# Altium PCB Power Board.PcbDoc (part 1 of 3) (continued)
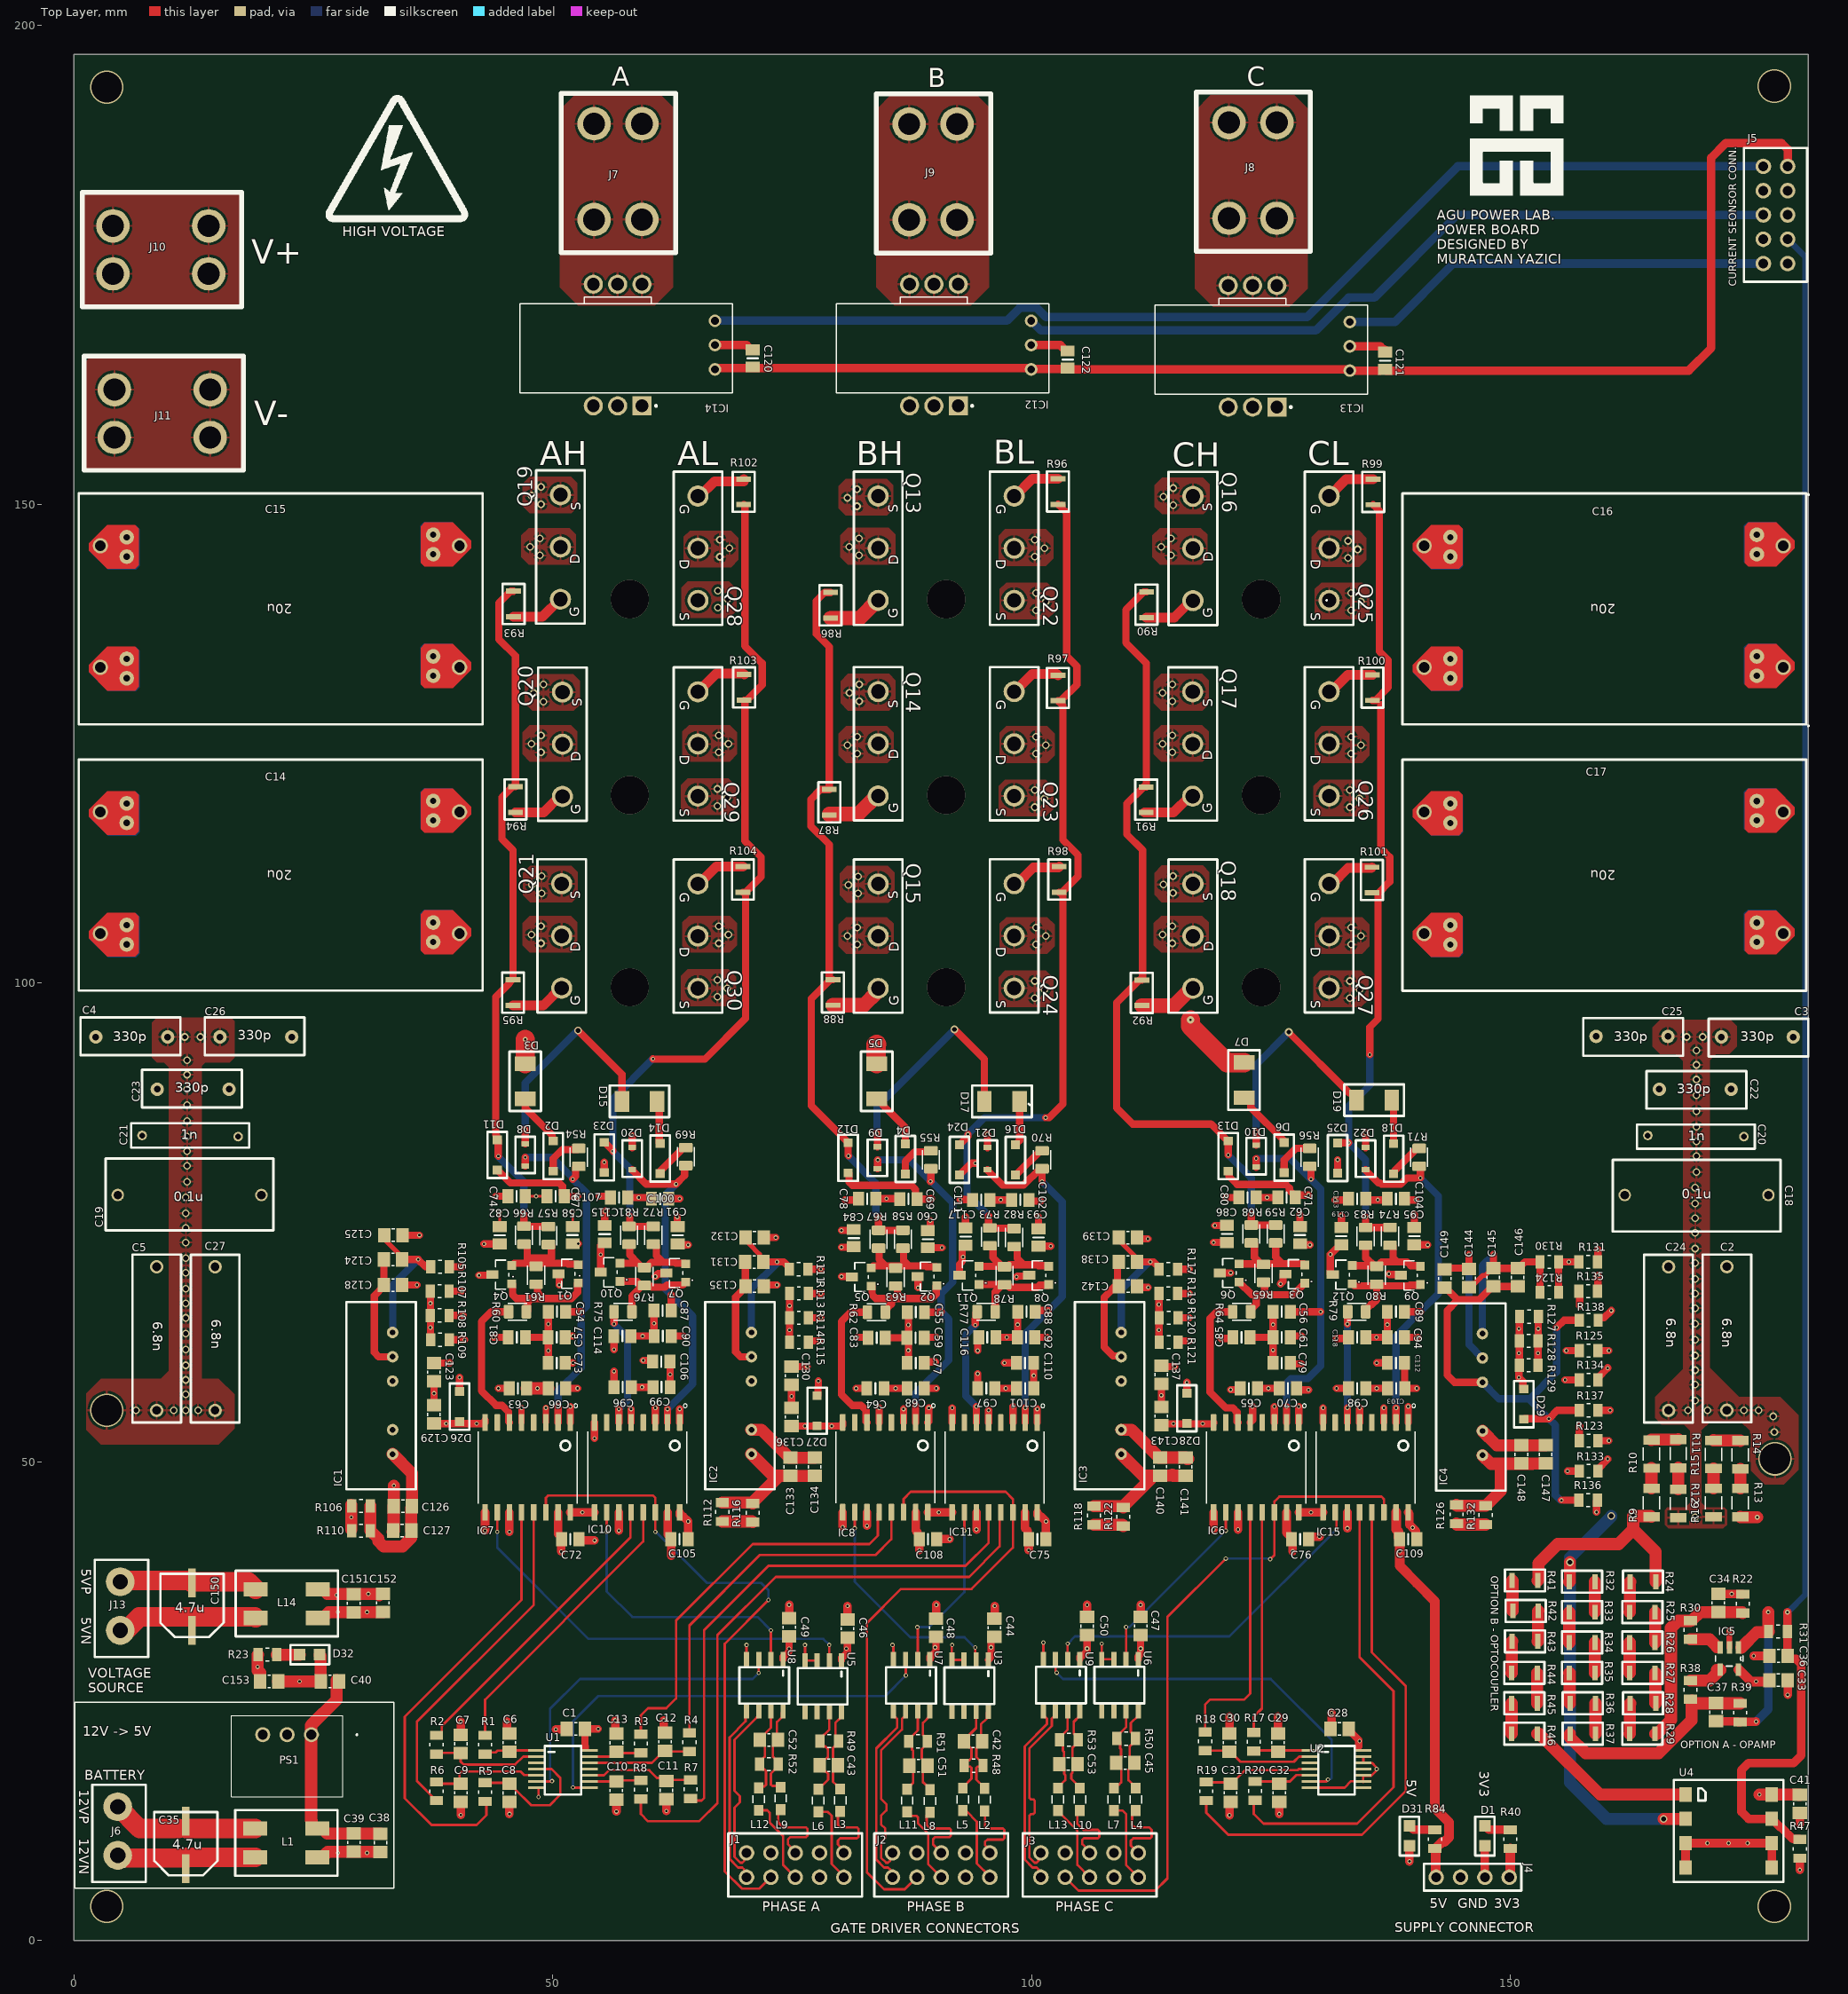
[diagram p0: Top Layer view]
## Components (designator, comment, footprint, x,y, rotation, side; value= is the part's Value field where it differs from the comment) (continued)
R31 "49.9ohm" "RES 0805 (2012 metric)" 177.927,32.258 r0 top
R32 "249k" 1206RES 157.48,37.465 r0 top
R33 "249k" 1206RES 157.48,34.29 r180 top
R34 "249k" 1206RES 157.48,31.115 r0 top
R35 "249k" 1206RES 157.48,27.94 r180 top
R36 "249k" 1206RES 157.543,24.765 r0 top
R37 "249k" 1206RES 157.543,21.59 r180 top
R38 "4.99k 0.125W" "RES 0805 (2012 metric)" 168.783,26.162 r90 top
R39 "3.74k" "RES 0805 (2012 metric)" 173.99,23.787 r90 top
R40 "1.24k" "RES 0805 (2012 metric)" 149.987,10.579 r270 top
R41 "249k" 1206RES 151.511,37.592 r180 top
R42 "249k" 1206RES 151.575,34.417 r0 top
R43 "249k" 1206RES 151.511,31.242 r180 top
R44 "249k" 1206RES 151.447,27.94 r0 top
R45 "249k" 1206RES 151.447,24.765 r180 top
R46 "249k" 1206RES 151.447,21.59 r0 top
R47 "2.5k" "RES 0805 (2012 metric)" 180.213,9.563 r90 top
R48 "120ohm" "RES 0805 (2012 metric)" 93.945,18.256 r0 top
R49 "120ohm" "RES 0805 (2012 metric)" 78.867,20.828 r0 top
R50 "120ohm" "RES 0805 (2012 metric)" 109.855,21.082 r0 top
R51 "120ohm" "RES 0805 (2012 metric)" 88.141,20.796 r0 top
R52 "120ohm" "RES 0805 (2012 metric)" 72.555,18.415 r0 top
R53 "120ohm" "RES 0805 (2012 metric)" 103.886,20.955 r0 top
R54 "1k 0.125W" RES0805 52.705,81.788 r90 top
R55 "1k 0.125W" RES0805 89.471,81.538 r90 top
R56 "1k 0.125W" RES0805 129.032,81.788 r90 top
R57 "2 0.25W" RES0805 49.53,73.614 r90 top
R58 "2 0.25W" RES0805 86.55,73.237 r90 top
R59 "2 0.25W" RES0805 125.476,73.787 r90 top
R60 "33 0.25W" RES0805 46.309,65.659 r0 top
R61 "100 0.1W" RES0805 48.26,69.469 r90 top
R62 "33 0.25W" RES0805 83.785,65.617 r0 top
R63 "100 0.1W" RES0805 85.787,69.274 r90 top
R64 "33 0.25W" RES0805 121.92,65.659 r0 top
R65 "100 0.1W" RES0805 124.206,69.677 r90 top
R66 "2 0.25W" RES0805 46.99,73.66 r90 top
R67 "2 0.25W" RES0805 84.01,73.237 r90 top
R68 "2 0.25W" RES0805 122.935,73.787 r90 top
R69 "1k 0.125W" RES0805 63.881,81.869 r90 top
R70 "1k 0.125W" RES0805 101.092,81.534 r90 top
R71 "1k 0.125W" RES0805 140.462,81.788 r90 top
R72 "2 0.25W" RES0805 60.494,73.649 r90 top
R73 "2 0.25W" RES0805 95.631,73.487 r90 top
R74 "2 0.25W" RES0805 137.414,73.533 r90 top
R75 "33 0.25W" RES0805 57.323,65.659 r0 top
R76 "100 0.1W" RES0805 59.563,69.342 r90 top
R77 "33 0.25W" RES0805 95.25,65.659 r0 top
R78 "100 0.1W" RES0805 97.155,69.423 r90 top
R79 "33 0.25W" RES0805 133.939,65.659 r0 top
R80 "100 0.1W" RES0805 136.017,69.469 r90 top
R81 "2 0.25W" RES0805 57.954,73.649 r90 top
R82 "2 0.25W" RES0805 98.171,73.406 r90 top
R83 "2 0.25W" RES0805 134.874,73.533 r90 top
R84 "1.24k" "RES 0805 (2012 metric)" 142.113,10.579 r270 top
R86 "10ohm 0.5W" 1206RES 78.994,139.446 r270 top
R87 "10ohm 0.5W" 1206RES 78.867,118.872 r270 top
R88 "10ohm 0.5W" 1206RES 79.248,99.009 r270 top
R90 "10ohm 0.5W" 1206RES 111.989,139.51 r270 top
R91 "10ohm 0.5W" 1206RES 111.963,119.139 r270 top
R92 "10ohm 0.5W" 1206RES 111.506,98.971 r270 top
R93 "10ohm 0.5W" 1206RES 45.898,139.586 r270 top
R94 "10ohm 0.5W" 1206RES 46.101,119.164 r270 top
R95 "10ohm 0.5W" 1206RES 45.847,98.996 r270 top
R96 "10ohm 0.5W" 1206RES 102.743,151.32 r90 top
R97 "10ohm 0.5W" 1206RES 102.743,130.81 r90 top
R98 "10ohm 0.5W" 1206RES 102.87,110.807 r90 top
R99 "10ohm 0.5W" 1206RES 135.661,151.282 r90 top
R100 "10ohm 0.5W" 1206RES 135.585,130.848 r90 top
R101 "10ohm 0.5W" 1206RES 135.534,110.757 r90 top
R102 "10ohm 0.5W" 1206RES 69.926,151.295 r90 top
R103 "10ohm 0.5W" 1206RES 69.977,130.874 r90 top
R104 "10ohm 0.5W" 1206RES 69.85,110.807 r90 top
R105 "2ohm 0.25W" "RES 0805 (2012 metric)" 38.227,70.358 r0 top
R106 "5.1" "RES 0805 (2012 metric)" 29.972,45.384 r0 top
R107 "10k" "RES 0805 (2012 metric)" 38.189,67.818 r0 top
R108 "10k" "RES 0805 (2012 metric)" 38.189,65.278 r0 top
R109 "10k" "RES 0805 (2012 metric)" 38.227,62.738 r0 top
R110 "5.1" "RES 0805 (2012 metric)" 29.972,42.799 r0 top
R111 "2ohm 0.25W" "RES 0805 (2012 metric)" 75.654,70.104 r0 top
R112 "5.1" "RES 0805 (2012 metric)" 67.691,44.742 r90 top
R113 "10k" "RES 0805 (2012 metric)" 75.692,67.564 r0 top
R114 "10k" "RES 0805 (2012 metric)" 75.692,65.024 r0 top
R115 "10k" "RES 0805 (2012 metric)" 75.692,62.484 r0 top
R116 "5.1" "RES 0805 (2012 metric)" 70.866,44.666 r90 top
R117 "2ohm 0.25W" "RES 0805 (2012 metric)" 114.262,70.104 r0 top
R118 "5.1" "RES 0805 (2012 metric)" 106.508,44.376 r90 top
R119 "10k" "RES 0805 (2012 metric)" 114.262,67.564 r0 top
R120 "10k" "RES 0805 (2012 metric)" 114.3,65.024 r0 top
R121 "10k" "RES 0805 (2012 metric)" 114.3,62.484 r0 top
R122 "5.1" "RES 0805 (2012 metric)" 109.556,44.249 r90 top
R123 "1ohm 0.25W" "RES 0805 (2012 metric)" 158.153,52.197 r180 top
R124 "2ohm 0.25W" "RES 0805 (2012 metric)" 154.051,67.691 r0 top
R125 "1ohm 0.25W" "RES 0805 (2012 metric)" 158.153,61.595 r180 top
R126 "5.1" "RES 0805 (2012 metric)" 144.354,44.503 r90 top
R127 "10k" "RES 0805 (2012 metric)" 151.93,65.151 r0 top
R128 "10k" "RES 0805 (2012 metric)" 151.892,62.611 r0 top
R129 "10k" "RES 0805 (2012 metric)" 151.892,60.071 r0 top
R130 "2ohm 0.25W" "RES 0805 (2012 metric)" 154.051,70.866 r0 top
R131 "1ohm 0.25W" "RES 0805 (2012 metric)" 158.115,70.866 r180 top
R132 "5.1" "RES 0805 (2012 metric)" 147.402,44.414 r90 top
R133 "1ohm 0.25W" "RES 0805 (2012 metric)" 158.153,49.022 r180 top
R134 "1ohm 0.25W" "RES 0805 (2012 metric)" 158.153,58.547 r180 top
R135 "1ohm 0.25W" "RES 0805 (2012 metric)" 158.115,67.818 r180 top
R136 "1ohm 0.25W" "RES 0805 (2012 metric)" 158.115,45.974 r180 top
R137 "1ohm 0.25W" "RES 0805 (2012 metric)" 158.153,55.372 r180 top
R138 "1ohm 0.25W" "RES 0805 (2012 metric)" 158.166,64.77 r180 top
U1 "SN74HC21PWR" SN74HC21PWR 51.054,17.907 r0 top
U2 "SN74HC21PWR" SN74HC21PWR 131.826,17.907 r0 top
U3 "SN75179BDR" SN75179BDR 93.564,26.605 r270 top
U4 "TLP521-2-SOIC" TLP521-2-SOIC 172.775,11.43 r270 top
U5 "SN75179BDR" SN75179BDR 78.232,26.543 r270 top
U6 "SN75179BDR" SN75179BDR 109.22,26.67 r270 top
U7 "SN75179BDR" SN75179BDR 87.468,26.638 r270 top
U8 "SN75179BDR" SN75179BDR 72.136,26.637 r270 top
U9 "SN75179BDR" SN75179BDR 103.124,26.67 r270 top

## Footprints (in the part's own frame and the unit in brackets; to place one, negate y for a bottom-side part, rotate by r counter-clockwise, add the part's x,y. Pads: shape width x height; smd on the part's side, far side on the other; paste and mask are expansions set on the pad)
"0.1uF 630VDC" [mm]
  round 1.3 hole 0.9: 1(0,0) 2(15,0)
  silkscreen extent -1.27,-3.68 16.26,3.81
"1nF 100VDC" [mm]
  round 1 hole 0.6: 1(0,0) 2(10.033,-0.127)
  silkscreen extent -1.14,-1.27 11.18,1.27
"2POS CONN" [mm]
  round 3 hole 1.6: 1(0,0) 2(5.08,0)
  silkscreen extent -2.29,-2.67 7.87,2.92
2ROW10POS [mm]
  round 1.62 hole 1.02: 1(-1.27,5.08) 2(1.27,5.08) 3(-1.27,2.54) 4(1.27,2.54) 5(-1.27,0) 6(1.27,0) 7(-1.27,-2.54) 8(1.27,-2.54) 9(-1.27,-5.08) 10(1.27,-5.08)
  silkscreen extent -3.3,-6.98 3.3,6.98
4POS1ROW [mm]
  round 1.62 hole 1.02: 1(-3.81,0.127) 2(-1.27,0.127) 3(1.27,0.127) 4(3.81,0.127)
  silkscreen extent -5.08,-1.27 5.08,1.52
"6.8nF 1600VDC" [mm]
  round 1.4 hole 0.9: 1(-7.5,0) 2(7.5,0)
  silkscreen extent -8.77,-2.54 8.76,2.54
"20u 800VDC v3" [mil]
  round 62.99 hole 43.31: 1(-728.19,-255) 1(-728.19,245) 2(748.19,-255) 2(748.19,245)
  round 60 hole 26: 1(-620,-300) 1(-620,-220) 1(-620,200) 1(-620,280) 2(640,-290) 2(640,-210) 2(640,210) 2(640,290)
  Top Layer region: 795,235 720,160 605,160 590,175 590,325 605,340 720,340 795,265
  Top Layer region: 795,-265 720,-340 605,-340 590,-325 590,-175 605,-160 720,-160 795,-235
  Top Layer region: -775,-245 -700,-170 -585,-170 -570,-185 -570,-335 -585,-350 -700,-350 -775,-275
  Top Layer region: -775,255 -700,330 -585,330 -570,315 -570,165 -585,150 -700,150 -775,225
  Bottom Layer region: 792.5,237.5 717.5,162.5 602.5,162.5 587.5,177.5 587.5,327.5 602.5,342.5 717.5,342.5 792.5,267.5
  Bottom Layer region: 792.5,-262.5 717.5,-337.5 602.5,-337.5 587.5,-322.5 587.5,-172.5 602.5,-157.5 717.5,-157.5 792.5,-232.5
  Bottom Layer region: -772.5,-247.5 -697.5,-172.5 -582.5,-172.5 -567.5,-187.5 -567.5,-337.5 -582.5,-352.5 -697.5,-352.5 -772.5,-277.5
  Bottom Layer region: -772.5,252.5 -697.5,327.5 -582.5,327.5 -567.5,312.5 -567.5,162.5 -582.5,147.5 -697.5,147.5 -772.5,222.5
  silkscreen extent -823,-470 837,480
"330p 1000VDC" [mm]
  round 1.4 hole 0.7: 1(-3.75,0) 2(3.75,0)
  silkscreen extent -5.33,-1.91 5.08,2.03
1206RES [mm]
  rect 0.55x1.55 smd: 1(-1.333,0) 2(1.333,0)
  silkscreen extent -2.1,-1.14 2.1,1.14
ACM7060-701-2PL-TL01 [mm]
  rect 2.5x1.5 smd: 1(-3.25,1.5) 2(-3.25,-1.5) 3(3.25,-1.5) 4(3.25,1.5)
  silkscreen extent -5.33,-3.43 5.33,3.43
AD8615AUJZ [mil]
  rect 52x22 smd: 1(-45,35) 2(-45,-2) 3(-45,-39) 4(47,-39) 5(47,35)
  silkscreen extent -10,-59 32,55
Barrier [mm]
  round 3.5 hole 2.3: 1(0,-10) 1(0,0) 1(5,-10) 1(5,0)
  silkscreen extent -3.43,-13.46 8.51,3.17
BAT54WS_R1_00001 [mm]
  rect 0.56x0.82 smd: 1(-1.15,0) 2(1.15,0)
  silkscreen extent -1.91,-1.02 1.9,1.02
BZT52C2V4-7-F [mm]
  rect 0.9x0.95 smd: 1(-1.575,0) 2(1.575,0)
  silkscreen extent -2.41,-1.02 2.41,1.02
CAP0805 [mm]
  rect 1.15x1.45 smd: 1(-0.889,0) 2(0.911,0)
  silkscreen extent 0.01,-0.55 0.01,0.55
"CAP 0805" [mm]
  rect 1.3x1.5 smd: 1(-0.989,-0.001) 2(0.911,-0.001)
  silkscreen extent -0.19,-0.65 0.11,0.65
EEE-HC1E470XP [mm]
  rect 0.8x3 smd: 1(0,2.476) 2(0,-2.476)
  silkscreen extent -3.3,-3.17 3.3,3.43
ES2J-E3/52T [mm]
  rect 1.52x2.18 smd: 1(-1.841,0) 2(1.841,0)
  silkscreen extent -3.11,-1.65 3.11,1.65
IH0509S [mm]
  round 1.2 hole 0.6: 1(-6.35,0) 2(-3.81,0) 3(1.27,0) 4(3.81,0) 5(6.35,0)
  silkscreen extent -10.03,-2.41 9.53,4.83
"IND 0805" [mm]
  rect 1.15x1 smd: 1(-1.175,0) 2(1.175,0)
  silkscreen extent -0.4,-0.6 0.4,0.6
IXFH42N60P3_v4 [mm]
  round 2.2 hole 1.5: 1(0,0) 2(0,-5.45) 3(0,-10.9)
  Top Layer region: -6.985,-4.18
  silkscreen extent -2.54,-13.45 2.54,2.55
"LED 0805" [mm]
  rect 1.2x1.2 smd: 1(-1.05,0) 2(1.05,0)
  silkscreen extent -2.07,-1.02 2,1.02
LTS25 [mm]
  round 1.318 hole 0.81: 0V(-9.133,0) +5V(-9.133,2.54) OUT(-9.133,-2.54)
  rect 1.995x1.995 hole 1.33: 1(-1.513,6.35)
  round 1.995 hole 1.33: 2(1.027,6.35) 3(3.567,6.35) 4(3.567,-6.35) 5(1.027,-6.35) 6(-1.513,-6.35)
  silkscreen extent -10.97,-5 11.23,6.45
R78E5010 [mm]
  round 1.575 hole 1.05: 1(0,0) 2(2.54,0) 3(5.08,0)
  silkscreen extent -4.8,-2 8.34,6.5, body extent -3.26,-2 8.34,6.5, height 10.5
RES0805 [mm]
  rrect25% 1x1.42 smd: 1(-0.935,0) 2(0.935,0)
  silkscreen extent -1,-0.89 1,0.89
"RES 0805 (2012 metric)" [mm]
  rect 0.96x1.38 smd: 1(-0.978,0) 2(0.978,0)
  silkscreen extent -0.18,-0.68 0.18,0.68
RESC3116X65N [mm]
  rect 0.97x1.73 smd: 1(-1.48,0) 2(1.48,0)
  silkscreen extent -0.67,-0.85 0.67,0.85
SN74HC21PWR [mm]
  rect 1.7x0.3 smd: 1(-2.8,1.95) 2(-2.8,1.3) 3(-2.8,0.65) 4(-2.8,0) 5(-2.8,-0.65) 6(-2.8,-1.3) 7(-2.8,-1.95) 8(2.8,-1.95) 9(2.8,-1.3) 10(2.8,-0.65) 11(2.8,0) 12(2.8,0.65) 13(2.8,1.3) 14(2.8,1.95)
  silkscreen extent -1.91,-2.67 1.91,2.41
SN75179BDR [mm]
  rect 1.55x0.55 smd: 1(-2.7,1.905) 2(-2.7,0.635) 3(-2.7,-0.635) 4(-2.7,-1.905) 5(2.7,-1.905) 6(2.7,-0.635) 7(2.7,0.635) 8(2.7,1.905)
  silkscreen extent -1.91,-2.67 1.91,2.54
SOD123 [mm]
  rect 0.9x0.95 smd: 1(-1.575,0) 2(1.575,0)
  silkscreen extent -2.41,-1.02 2.41,1.02
SOIC127P1028X264-16N [mm]
  rrect25% 1.75x0.58 smd: 1(-4.69,4.445) 2(-4.69,3.175) 3(-4.69,1.905) 4(-4.69,0.635) 5(-4.69,-0.635) 6(-4.69,-1.905) 7(-4.69,-3.175) 8(-4.69,-4.445) 9(4.69,-4.445) 10(4.69,-3.175) 11(4.69,-1.905) 12(4.69,-0.635) 13(4.69,0.635) 14(4.69,1.905) 15(4.69,3.175) 16(4.69,4.445)
  silkscreen extent -6.64,-5.17 3.75,5.22
SOT23 [mil]
  rect 36x36 smd: 1(0,0) 2(75,0)
  rect 36x50 smd: 3(38,80)
  silkscreen extent -22,12 97,68
TLP521-2-SOIC [mm]
  rect 1.5x1.3 smd: 1(-3.81,-4.5) 2(-1.27,-4.5) 3(1.27,-4.5) 4(3.81,-4.5) 5(3.81,4.5) 6(1.27,4.5) 7(-1.27,4.5) 8(-3.81,4.5)
  silkscreen extent -5.33,-5.72 5.33,5.72

## Part data
C1 C28 C44 C46 C47 C48 C49 C50: library part "2.2uF 50V 0805", "2.2uF 50V 0805"
C2 C5 C24 C27: library part "6.8nF 1600VDC"
C3 C4 C22 C23 C25 C26: library part C323A331K31C320, "330p 1000VDC"
C6 C7 C8 C9 C10 C11 C12 C13 C29 C30 C31 C32 C42 C43 C45 C51 C52 C53: library part "56pF 0805", "56 pF ±5% 100V Ceramic Capacitor C0G, NP0 0805 (2012 Metric"
C18 C19: library part "0.1uF 630VDC"
C20 C21: library part "1nF 100VDC", "PHE850EA4100MA01R17"
C33 C41: library part "0.1uF 0805", "0.1uF 0805"
C34 C37: library part "4700pF 0805", "4700pF 0805 cap"
C35 C150: library part EEE-HC1E4
C36: library part "0.27uF 0805", "0.27uF 0805"
C38 C151: library part "0.1uF 0805", "10uF"
C39 C152: library part "0.1uF 0805"
C40 C153: library part "2.2uF 50V 0805"
C54 C55 C56 C57 C58 C59 C60 C61 C62 C63 C64 C65 C66 C67 C68 C69 C70 C71 C72 C73 C74 C75 C76 C77 C78 C79 C80 C81 C82 C83 C84 C85 C86 C87 C88 C89 C90 C91 C92 C93 C94 C95 C96 C97 C98 C99 C100 C101 C102 C103 C104 C105 C106 C107 C108 C109 C110 C111 C112 C113 C114 C115 C116 C117 C118 C119 C120 C121 C122: library part CAP0805
C123 C125 C127 C129 C130 C132 C134 C136 C137 C139 C141 C143 C145 C146 C148: library part "56pF 0805", "4.7u 0805"
C124 C126 C128 C131 C133 C135 C138 C140 C142 C144 C147 C149: library part "56pF 0805", "1u0805"
D11 D12 D13 D23 D24 D25: "DIODE SCHOTTKY 1A 40V SOD123"
D26 D27 D28 D29: "MMSZ2V7-HT / 2.7V ZENER"
L2 L3 L4 L5 L6 L7 L8 L9 L10 L11 L12 L13: library part "1uH 0805", "1 µH Shielded Multilayer Inductor 600 mA 150mOhm 0805(2012 metric)"
PS1: "Power Supply", Manufacturer_Name="RECOM Power", Mouser Part Number=919-R-78E5.0-1.0, Arrow Part Number=R-78E5.0-1.0, Arrow Price/Stock=https://www.arrow.com/en/products/r-78e5.0-1.0/recom-power, Datasheet Link=http://www.recom-power.com/pdf/Innoline/R-78Exx-1.0.pdf, Height=10.4mm, Manufacturer_Part_Number=R-78E5.0-1.0, Mouser Price/Stock=https://www.mouser.co.uk/ProductDetail/RECOM-Power/R-78E50-10/?qs=T0XSgvH75d4EsZCU9I5HVA%3D%3D
Q1 Q2 Q3 Q7 Q8 Q9: "NPN 4.5A SOT23"
Q4 Q5 Q6 Q10 Q11 Q12: "PNP 4A SOT23"
R1 R2 R3 R4 R5 R6 R7 R8 R17 R18 R19 R20 R48 R49 R50 R51 R52 R53: library part "120ohm 0805", "120ohm 0805"
R9 R10 R11 R12 R13 R14 R15 R16: library part RE1206FRE071ML, "RE1206 1,00M 1% 0,25W", Package=None, Availability=Unavailable, MP=RE1206FRE071ML, Price=None
R22 R39: library part "3.74k 0805", "3.74k 0805 resistor"
R23 R40 R84: library part "120ohm 0805", "1.24ohm 0805"
R24 R25 R26 R27 R28 R29 R32 R33 R34 R35 R36 R37 R41 R42 R43 R44 R45 R46: library part "249k 1206"
R30 R38: "4.99k 0805 0.125W"
R31: library part "49.9ohm 0805", "49.9ohm 0805"
R47: library part "2.5k 0805", "2.5k 0805"
R54 R55 R56 R57 R58 R59 R60 R61 R62 R63 R64 R65 R66 R67 R68 R69 R70 R71 R72 R73 R74 R75 R76 R77 R78 R79 R80 R81 R82 R83: library part RES0805
R86 R87 R88 R90 R91 R92 R93 R94 R95 R96 R97 R98 R99 R100 R101 R102 R103 R104: library part "249k 1206", "1206 RES"
R105 R106 R107 R108 R109 R110 R111 R112 R113 R114 R115 R116 R117 R118 R119 R120 R121 R122 R123 R124 R125 R126 R127 R128 R129 R130 R131 R132 R133 R134 R135 R136 R137 R138: library part "120ohm 0805"
U1 U2: "QUAD AND GATE"
U3 U5 U6 U7 U8 U9: "Differential Line Transceiver"
U4: library part TLP521

## Via types
v1: diameter 0.45, hole 0.25, Top Layer to Bottom Layer, 341 vias
v2: diameter 0.8, hole 0.5, Top Layer to Bottom Layer, 177 vias
v3: diameter 0.5, hole 0.25, Top Layer to Bottom Layer, 9 vias
v4: diameter 4, hole 4, Top Layer to Bottom Layer, 9 vias
v5: diameter 3.5, hole 3.2, Top Layer to Bottom Layer, 6 vias
v6: diameter 0.45, hole 0.249, Top Layer to Bottom Layer, 1 vias
v7: diameter 0.762, hole 0.25, Top Layer to Bottom Layer, 1 vias
v8: diameter 0.4, hole 0.25, Top Layer to Bottom Layer, 1 vias

## Nets (pads, with @x,y where several pads share a name; then routed paths per layer and width w, separated by ;. In a path a pad name is that pad's centre, name@x,y a point inside that pad or via, vN(x,y) a via of type N, cw(c..) or ccw(c..) an arc to the next point about the centre after c; other vN are vias at no path point)
5VN_FIlt: C38.2 C39.2 C40.2 C126.2 C127.2 C133.2 C134.2 C140.2 C141.2 C147.2 C148.2 C151.2 C152.2 C153.2 D32.1 IC1.2 IC2.2 IC3.2 IC4.2 L1.3 L14.3 PS1.2 | length 49.7
  Top Layer w1.27: C153.2@21.336,27.051 25.766,27.051 25.766,29.706 25.654,29.818 D32.1@25.654,29.845 ; L1.3@25.423,8.684 25.923,8.684 26.488,9.249 C38.2@32.003,9.249 ; L14.3@25.475,33.679 25.975,33.679 26.586,34.29 32.253,34.29 C152.2@32.258,34.295 ; C127.2@33.274,42.672 C127.2@33.317,42.715 ; C127.2@33.317,42.814 C127.2@33.317,42.715 ; v1(33.401,47.498) 33.401,45.361 C126.2@33.394,45.354 33.379,45.339 33.379,42.777 C127.2@33.317,42.715 ; IC2.2@70.739,53.34 71.777,53.34 74.703,50.414 C133.2@74.803,50.414 74.805,50.417 77.341,50.417 C134.2@77.343,50.419 ; IC3.2@109.347,53.34 110.413,53.34 113.312,50.441 C140.2@113.412,50.441 113.427,50.426 116.067,50.426 C141.2@116.078,50.414 ; IC4.2@147.066,53.213 148.568,51.711 C148.2@151.131,51.711 C147.2@153.671,51.711 ; C141.2@116.078,50.414 116.201,50.292 116.332,50.292 116.21,50.414 C141.2@116.078,50.414
  other v1: 27.559,9.144 30.607,9.144 23.551,27.051 27.559,34.29 30.607,34.29
5VP_FIlt: C151.1 C152.1 C153.1 L14.4 PS1.3 R23.2 R106.1 R110.1 R112.1 R116.1 R118.1 R122.1 R126.1 R132.1 | length 22.1
  Top Layer w1.27: R23.2@19.215,29.845 19.177,29.807 19.177,28.194 19.421,27.95 19.421,27.066 C153.1@19.436,27.051 ; L14.4@25.475,36.679 25.975,36.679 26.459,36.195 v1(30.734,36.195) C152.1@32.004,36.195 ; R110.1@28.956,42.903 R106.1@28.956,45.488 ; C152.1@31.877,36.068 C152.1@32.004,36.195 ; C152.1@32.258,36.195 C152.1@32.004,36.195 ; R112.1@67.691,43.764 70.811,43.764 70.866,43.709 R116.1@70.866,43.688 ; R118.1@106.508,43.398 109.501,43.398 109.556,43.343 R122.1@109.556,43.271 ; R126.1@144.354,43.525 144.354,43.491 144.409,43.436 R132.1@147.402,43.436
  other v1: 19.177,28.575 27.432,36.068 108.004,43.398 145.905,43.436 69.251,43.764 28.956,44.196
+3V3_Cntrl: C1.2 C28.2 C33.2 C41.1 IC5.5 J4.4 R40.2 U1.14 U2.14 U4.8 | length 16.9
  Top Layer w0.762: 53.385,20.088 53.385,20.275 53.34,20.32 C1.2@53.34,22.098 v1(54.737,22.098) ; C28.2@133.091,22.098 133.091,21.998 134.157,20.932 134.157,20.265 134.069,20.176
  Top Layer w1.016: J4.4@149.86,6.604 149.86,6.767 149.987,6.894 R40.2@149.987,9.601 ; IC5.5@173.787,28.27 173.863,28.27 175.082,27.051 v1(175.641,27.051) 176.888,27.051 C33.2@177.016,27.179
  Top Layer w1.27: v1(175.993,15.24) U4.8@177.275,15.24 180.085,15.24 180.112,15.213 C41.1@180.212,15.213
  other v1: 134.239,20.828
+5_Cntrl: C44.1 C46.1 C47.1 C48.1 C49.1 C50.1 C72.1 C75.1 C76.1 C105.1 C108.1 C109.1 IC6.15 IC7.15 IC8.15 IC10.15 IC11.15 IC15.15 J4.1 R84.2 U3.1 U5.1 U6.1 U7.1 U8.1 U9.1 | length 77.5
  Top Layer w0.762: U8.1@74.041,29.337 74.041,29.625 74.147,29.731 74.23,29.731 74.676,30.177 C49.1@74.676,31.75 ; U5.1@80.137,29.243 80.137,29.531 80.243,29.637 80.326,29.637 80.772,30.083 C46.1@80.772,31.623 ; U7.1@89.373,29.338 89.373,29.626 89.479,29.732 89.562,29.732 90.008,30.178 C48.1@90.008,31.718 ; U3.1@95.469,29.305 95.758,29.594 v3(95.758,30.607) 95.758,31.449 96.027,31.718 C44.1@96.104,31.718 ; U9.1@105.029,29.37 105.029,29.658 105.135,29.764 105.345,29.764 105.791,30.21 C50.1@105.791,31.882 ; U6.1@111.125,29.37 111.125,29.658 111.38,29.913 C47.1@111.38,31.904
  Top Layer w0.889: C72.1@50.546,42.441 IC7.15@50.546,44.713 ; v1(50.876,40.615) 50.876,41.614 cw(c51.765,41.614) 50.876,41.629 50.884,42.077 ccw(c51.762,42.215) C72.1@50.927,41.91 ; C105.1@61.976,42.419 IC10.15@61.976,44.713 ; C105.1@62.335,41.91 62.281,41.856 62.382,41.754 v1(62.382,40.183) ; IC8.15@87.884,44.722 87.884,42.799 C108.1@88.134,42.549 ; v1(88.265,40.767) C108.1@88.265,41.91 ; IC11.15@99.314,44.704 99.314,43.053 99.564,42.803 99.564,42.041 C75.1@99.695,41.91 v1(99.695,40.767) ; IC6.15@126.619,44.713 126.619,42.568 127.127,42.06 C76.1@127.127,41.91 127.258,41.779 v1(127.258,40.644) v1@127.254,40.64
  Top Layer w1.016: IC15.15@138.049,44.713 138.049,42.926 138.299,42.676 138.299,42.041 C109.1@138.43,41.91 v1(138.43,40.64) 138.43,39.116 140.208,37.338 142.113,35.433 142.113,13.805 143.565,12.353 143.565,10.761 143.119,10.315 142.89,10.315 142.295,9.72 142.295,9.684 142.24,9.629 142.141,9.629 R84.2@142.113,9.601 ; R84.2@142.141,9.601 142.177,9.566 142.177,6.667 J4.1@142.24,6.604
  other v1: 74.676,30.48 80.645,30.48
  other v3: 105.791,30.48 111.379,30.48 89.916,30.607
+5_CURRENTSENS: C120.1 C121.1 C122.1 IC12.+5V IC13.+5V IC14.+5V J5.2 | length 134.7
  Top Layer w0.889: IC14.+5V@66.929,164.084 67.011,164.166 67.314,164.166 67.359,164.211 70.739,164.211 C120.1@70.866,164.338 ; C120.1@70.993,164.211 99.519,164.211 99.564,164.166 99.867,164.166 IC12.+5V@99.949,164.084 100.013,164.147 103.695,164.147 C122.1@103.759,164.211 103.886,164.084 132.793,164.084 132.838,164.039 133.141,164.039 IC13.+5V@133.223,163.957 ; IC13.+5V@133.801,163.957 C121.1@136.375,163.957 ; C121.1@136.906,164.084 137.033,163.957 168.605,163.957 170.942,166.294 170.942,186.182 172.466,187.706 178.308,187.706 178.943,187.071 J5.2@178.943,185.293
+12: C38.1 C39.1 C40.1 L1.4 PS1.1 | length 24.3
  Top Layer w1.27: C40.1@27.681,27.051 27.559,27.051 27.432,27.178 27.432,25.146 24.765,22.479 24.765,12.543 24.808,12.5 24.808,11.799 24.923,11.684 25.923,11.684 26.458,11.149 29.21,11.149 C38.1@32.003,11.149
A-FAULT: U1.6 U8.3 | length 34
  Top Layer w0.254: U1.6@48.254,16.607 49.881,16.607 v1(49.911,16.637) ; v1(71.501,27.94) U8.3@71.501,29.337
  Bottom Layer w0.254: v1(49.911,16.637) 49.911,16.684 49.711,16.884 49.711,24.184 52.832,27.305 70.866,27.305 v1(71.501,27.94)
A-FAULT-HS: IC7.13 R6.1 | length 36
  Top Layer w0.254: R6.1@37.846,14.605 35.814,16.637 35.814,22.86 48.006,35.052 IC7.13@48.006,44.713
A-FAULT-LS: IC10.13 R1.1 | length 30.1
  Top Layer w0.254: R1.1@42.926,21.425 42.926,25.146 59.436,41.656 IC10.13@59.436,44.713
A-FAULT_N: J1.10 U8.5 | length 19.1
  Top Layer w0.254: J1.10@70.231,6.604 69.97,6.865 69.97,7.423 69.773,7.62 69.352,7.62 68.453,8.519 68.453,21.209 70.131,22.887 70.131,23.837 U8.5@70.231,23.937
A-FAULT_P: J1.9 U8.6 | length 19
  Top Layer w0.254: J1.9@70.231,9.144 69.97,8.883 69.97,8.325 69.773,8.128 69.563,8.128 68.961,8.73 68.961,13.874 69.517,14.43 69.517,15.065 68.961,15.621 68.961,18.288 68.961,20.955 71.295,23.289 71.353,23.289 71.501,23.437 U8.6@71.501,23.937
A-RDY-HS: IC7.12 R5.1 | length 46.5
  Top Layer w0.254: R5.1@42.926,14.516 43.053,14.389 43.053,13.081 42.037,12.065 37.338,12.065 34.544,14.859 34.544,23.368 46.736,35.56 IC7.12@46.736,44.713
A-RDY-LS: IC10.12 R2.1 | length 31.8
  Top Layer w0.254: R2.1@37.846,21.425 38.056,21.425 38.409,21.778 38.409,22.407 58.102,42.1 58.102,44.649 IC10.12@58.166,44.713
AHS_PWM_IN: IC7.10 U5.2 | length 44.3
  Top Layer w0.254: v1(44.196,42.672) 44.196,44.459 44.069,44.586 IC7.10@44.196,44.713 ; U5.2@78.867,29.243 v1(78.867,30.861)
  Bottom Layer w0.254: v1(44.196,42.672) 44.196,41.021 53.721,31.496 78.232,31.496 v1(78.867,30.861)
AHS_PWM_N: J1.2 L6.2 | length 8.6
  Top Layer w0.254: L6.2@77.724,13.43 78.708,13.43 79.121,13.017 79.121,8.001 J1.2@80.518,6.604
AHS_PWM_P: J1.1 L3.2 | length 8.6
  Top Layer w0.254: L3.2@80.01,13.462 79.756,13.208 79.756,12.065 80.01,11.811 81.766,11.811 81.915,11.662 81.915,10.817 81.766,10.668 80.01,10.668 79.756,10.414 79.756,10.033 80.518,9.271 J1.1@80.518,9.144
ALS_PWM_IN: IC10.10 U8.2 | length 30.1
  Top Layer w0.254: v1(55.626,42.703) IC10.10@55.626,44.713 ; U8.2@72.771,29.337 v1(72.771,32.385)
  Bottom Layer w0.254: v1(55.626,42.703) 55.626,36.449 58.293,33.782 71.374,33.782 v1(72.771,32.385)
ALS_PWM_N: J1.6 L12.2 | length 9.3
  Top Layer w0.254: L12.2@71.501,13.589 72.39,13.589 72.644,13.335 72.644,12.319 74.041,10.922 74.041,7.874 75.184,6.731 75.184,6.604 75.184,6.477 J1.6@75.311,6.604
ALS_PWM_P: J1.5 L9.2 | length 9.4
  Top Layer w0.254: L9.2@73.787,13.652 73.533,13.398 73.533,12.319 74.041,11.811 76.432,11.811 76.581,11.662 76.581,10.944 76.432,10.795 74.803,10.795 74.549,10.541 74.549,10.066 75.311,9.304 J1.5@75.311,9.144
B-FAULT: U1.8 U7.3 | length 47.1
  Top Layer w0.254: v1@52.07,16.002 v1(52.092,15.98) 52.115,15.957 U1.8@53.854,15.957 ; U7.3@86.833,29.338 86.85,29.321 86.85,27.704 v1(86.868,27.686)
  Bottom Layer w0.254: v1(52.092,15.98) 52.092,22.882 54.737,25.527 84.709,25.527 v1(86.868,27.686)
B-FAULT-HS: IC8.13 R4.2 | length 39
  Top Layer w0.254: R4.2@64.262,21.679 64.351,21.679 64.389,21.717 64.345,21.761 64.262,21.844 64.262,32.893 71.628,40.259 83.693,40.259 85.344,41.91 IC8.13@85.344,44.722
B-FAULT-LS: IC11.13 R8.2 | length 65.1
  Top Layer w0.254: R8.2@59.182,14.77 59.182,13.208 59.944,12.446 65.278,12.446 67.183,14.351 67.183,31.877 73.279,37.973 93.472,37.973 96.647,41.148 96.647,44.577 IC11.13@96.774,44.704
B-FAULT_N: J2.10 U7.5 | length 19.4
  Top Layer w0.254: J2.10@85.471,6.604 85.21,6.865 85.21,7.423 85.013,7.62 84.592,7.62 83.772,8.44 83.772,20.053 85.944,22.225 85.944,23.141 85.795,23.29 85.711,23.29 85.563,23.438 U7.5@85.563,23.938
B-FAULT_P: J2.9 U7.6 | length 19.4
  Top Layer w0.254: J2.9@85.471,9.144 85.21,8.883 85.21,8.325 85.013,8.128 84.803,8.128 84.28,8.651 84.28,10.287 84.709,10.716 84.709,11.684 84.28,12.113 84.28,13.033 84.836,13.589 84.836,14.224 84.28,14.78 84.28,19.843 86.452,22.015 86.452,23.141 86.601,23.29 86.685,23.29 86.833,23.438 U7.6@86.833,23.938
B-RDY-HS: IC8.12 R3.2 | length 41.7
  Top Layer w0.254: R3.2@59.182,21.552 59.182,23.495 59.944,24.257 61.849,24.257 62.865,25.273 62.865,33.401 70.866,41.402 83.058,41.402 83.947,42.291 83.947,44.595 IC8.12@84.074,44.722
B-RDY-LS: IC11.12 R7.2 | length 55.8
  Top Layer w0.254: R7.2@64.391,14.819 64.606,14.605 65.532,14.605 65.786,14.859 65.786,32.385 72.517,39.116 93.091,39.116 95.504,41.529 IC11.12@95.504,44.704
BHS_PWM_IN: IC8.10 U3.2 | length 24
  Top Layer w0.254: v1(81.534,43.053) IC8.10@81.534,44.722 ; v1(94.107,30.607) 94.107,29.397 U3.2@94.199,29.305
  Bottom Layer w0.254: v1(81.534,43.053) 81.534,37.465 87.325,31.674 92.987,31.674 94.054,30.607 v1(94.107,30.607)
BHS_PWM_N: J2.2 L5.2 | length 8.2
  Top Layer w0.254: L5.2@92.802,13.557 93.018,13.557 cw(c93.018,13.303) 93.198,13.482 94.282,12.398 94.282,12.332 94.282,8.045 J2.2@95.596,6.731
BHS_PWM_P: J2.1 L2.2 | length 8.2
  Top Layer w0.254: L2.2@95.377,13.335 95.123,13.081 95.123,11.938 95.377,11.684 97.006,11.684 97.155,11.535 97.155,10.69 97.006,10.541 95.377,10.541 95.123,10.287 95.123,9.976 95.885,9.214 J2.1@95.885,9.144
BLS_PWM_IN: IC11.10 U7.2 | length 18.2
  Top Layer w0.254: v1@88.011,32.766 v1(88.057,32.72) 88.103,32.674 U7.2@88.103,29.338 ; v1(92.964,42.799) IC11.10@92.964,44.704
  Bottom Layer w0.254: v1(88.057,32.72) 89.311,32.72 92.964,36.373 v1(92.964,42.799)
BLS_PWM_N: J2.6 L11.2 | length 8.6
  Top Layer w0.254: L11.2@86.995,13.43 86.995,13.393 87.368,13.02 87.945,13.02 88.138,12.827 88.138,12.212 89.202,11.148 89.202,7.953 J2.6@90.551,6.604